# Altium PCB в2буекяиголоп.PcbDoc
Units mm, origin at the board's own origin, x right, y up, seen from the top; angles counter-clockwise.
Board outline 95 x 100 mm, 2 copper layers (Top Layer, Bottom Layer); 247 components, 171 nets, 830 pads, 0 vias.
Unrouted connection lines stored in the file: 635.
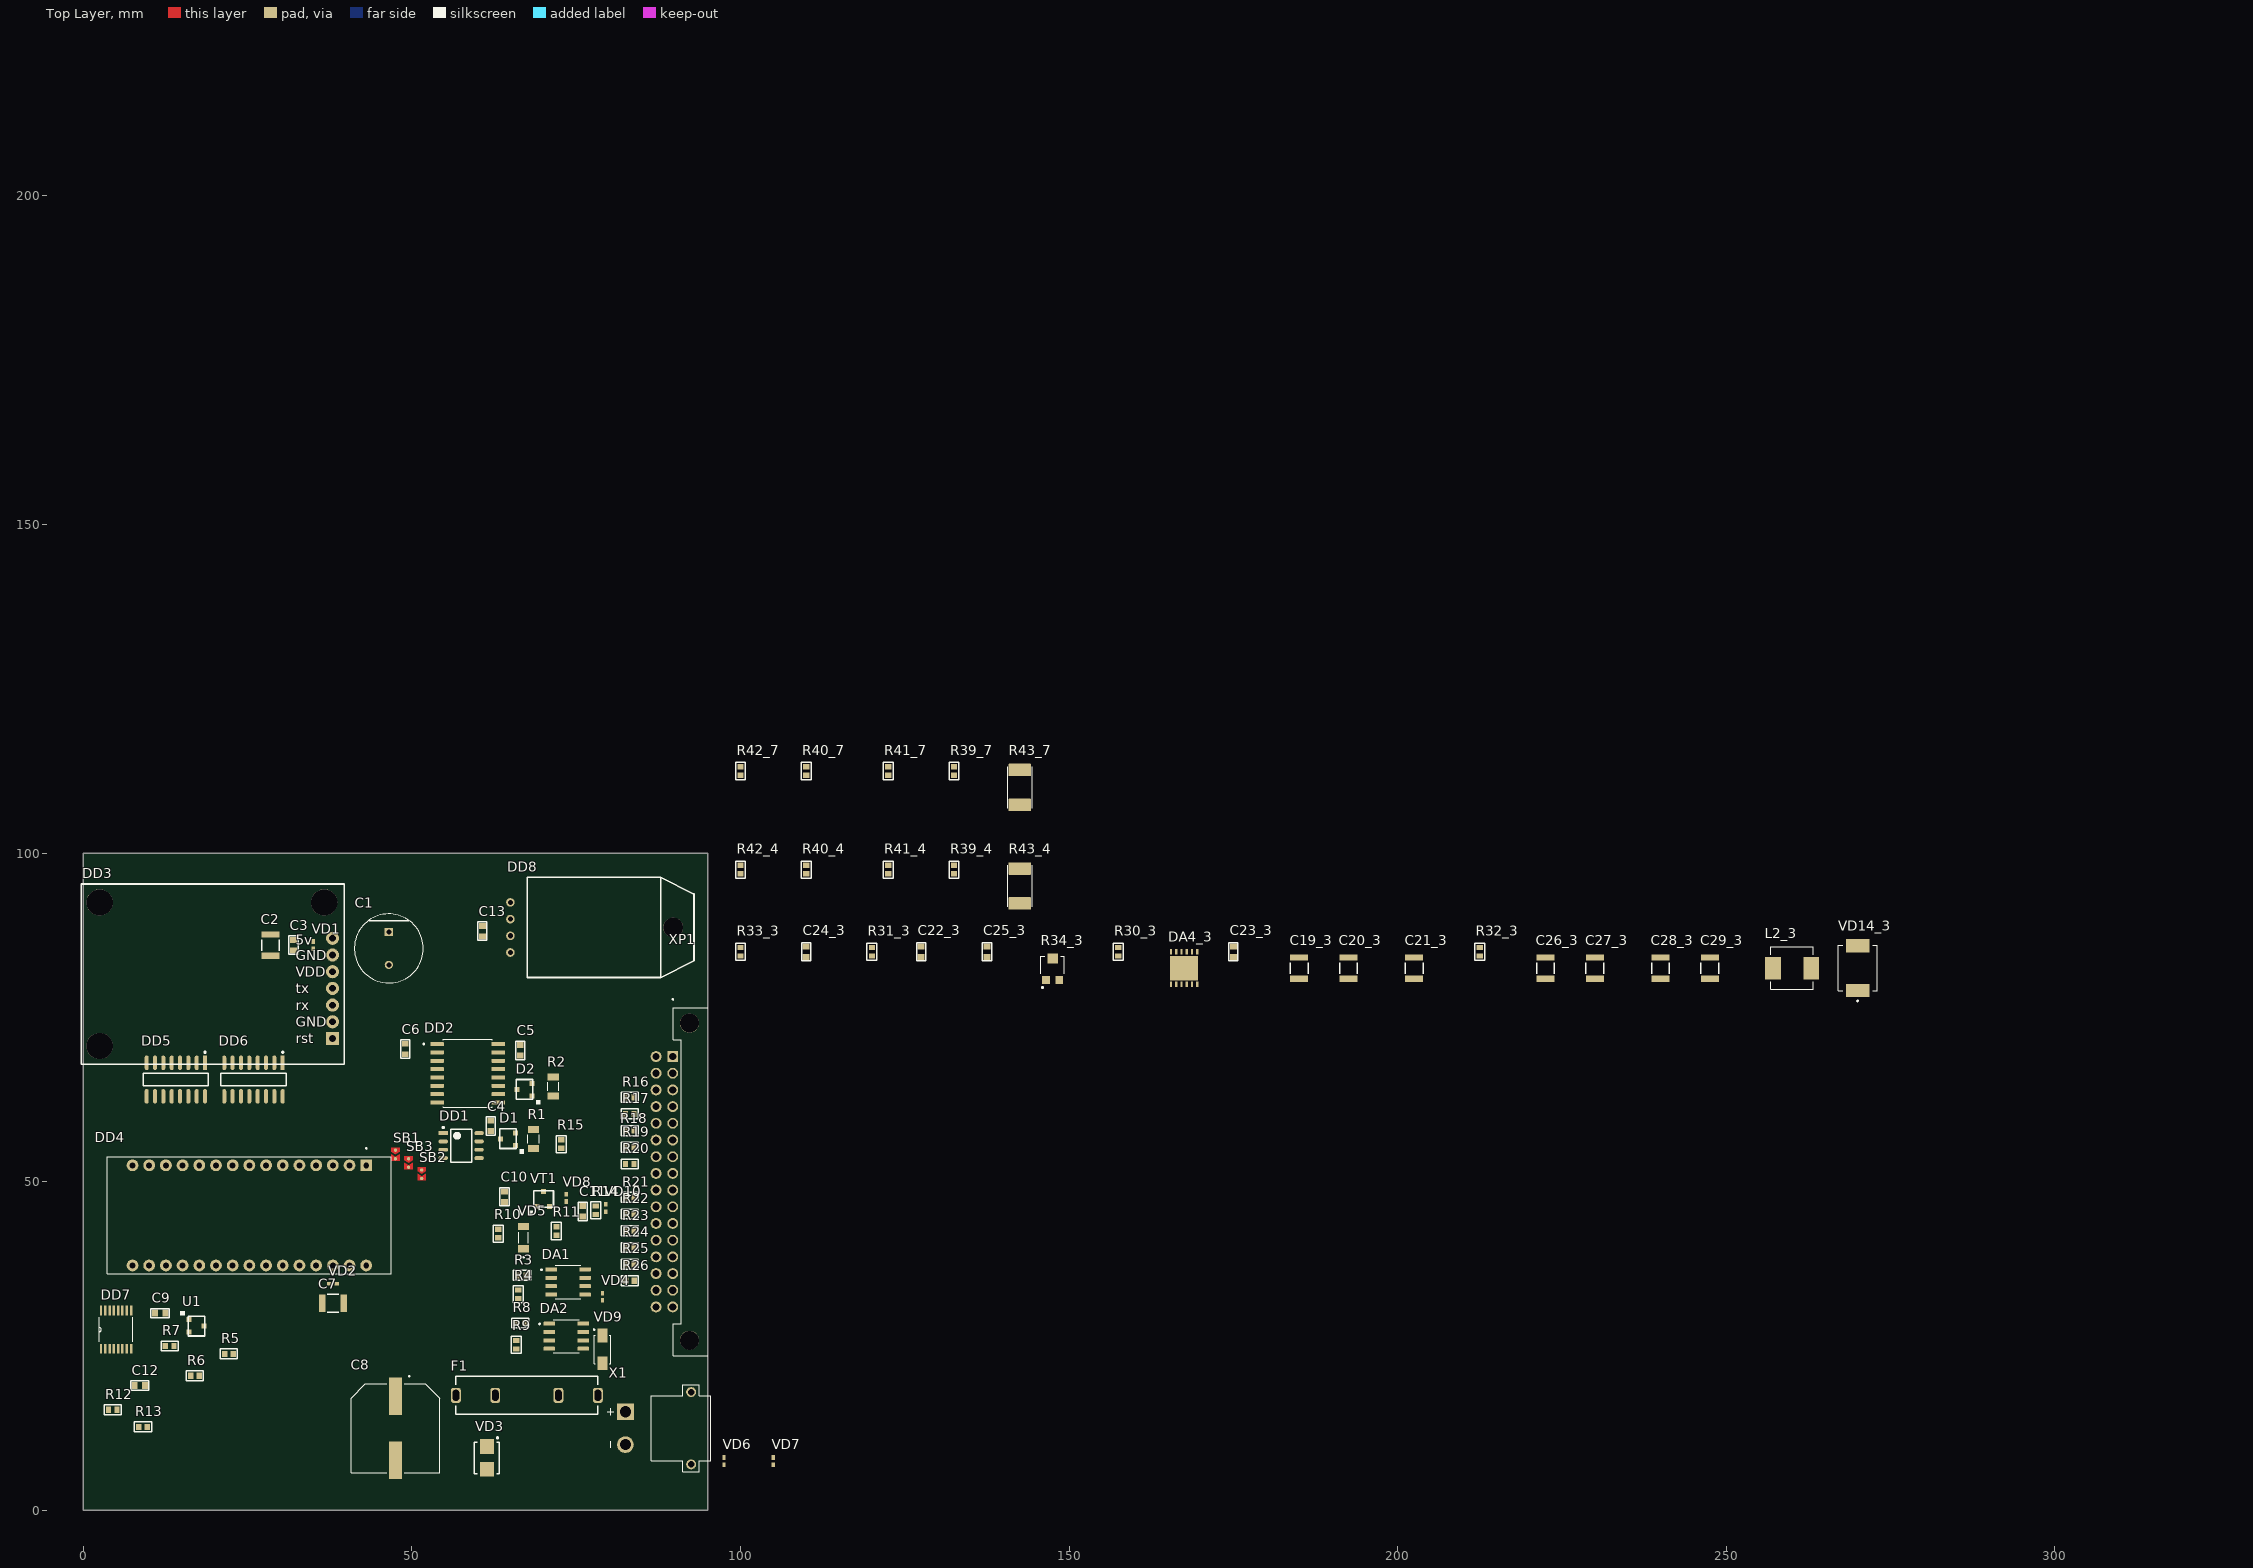
[diagram p0: Top Layer view]
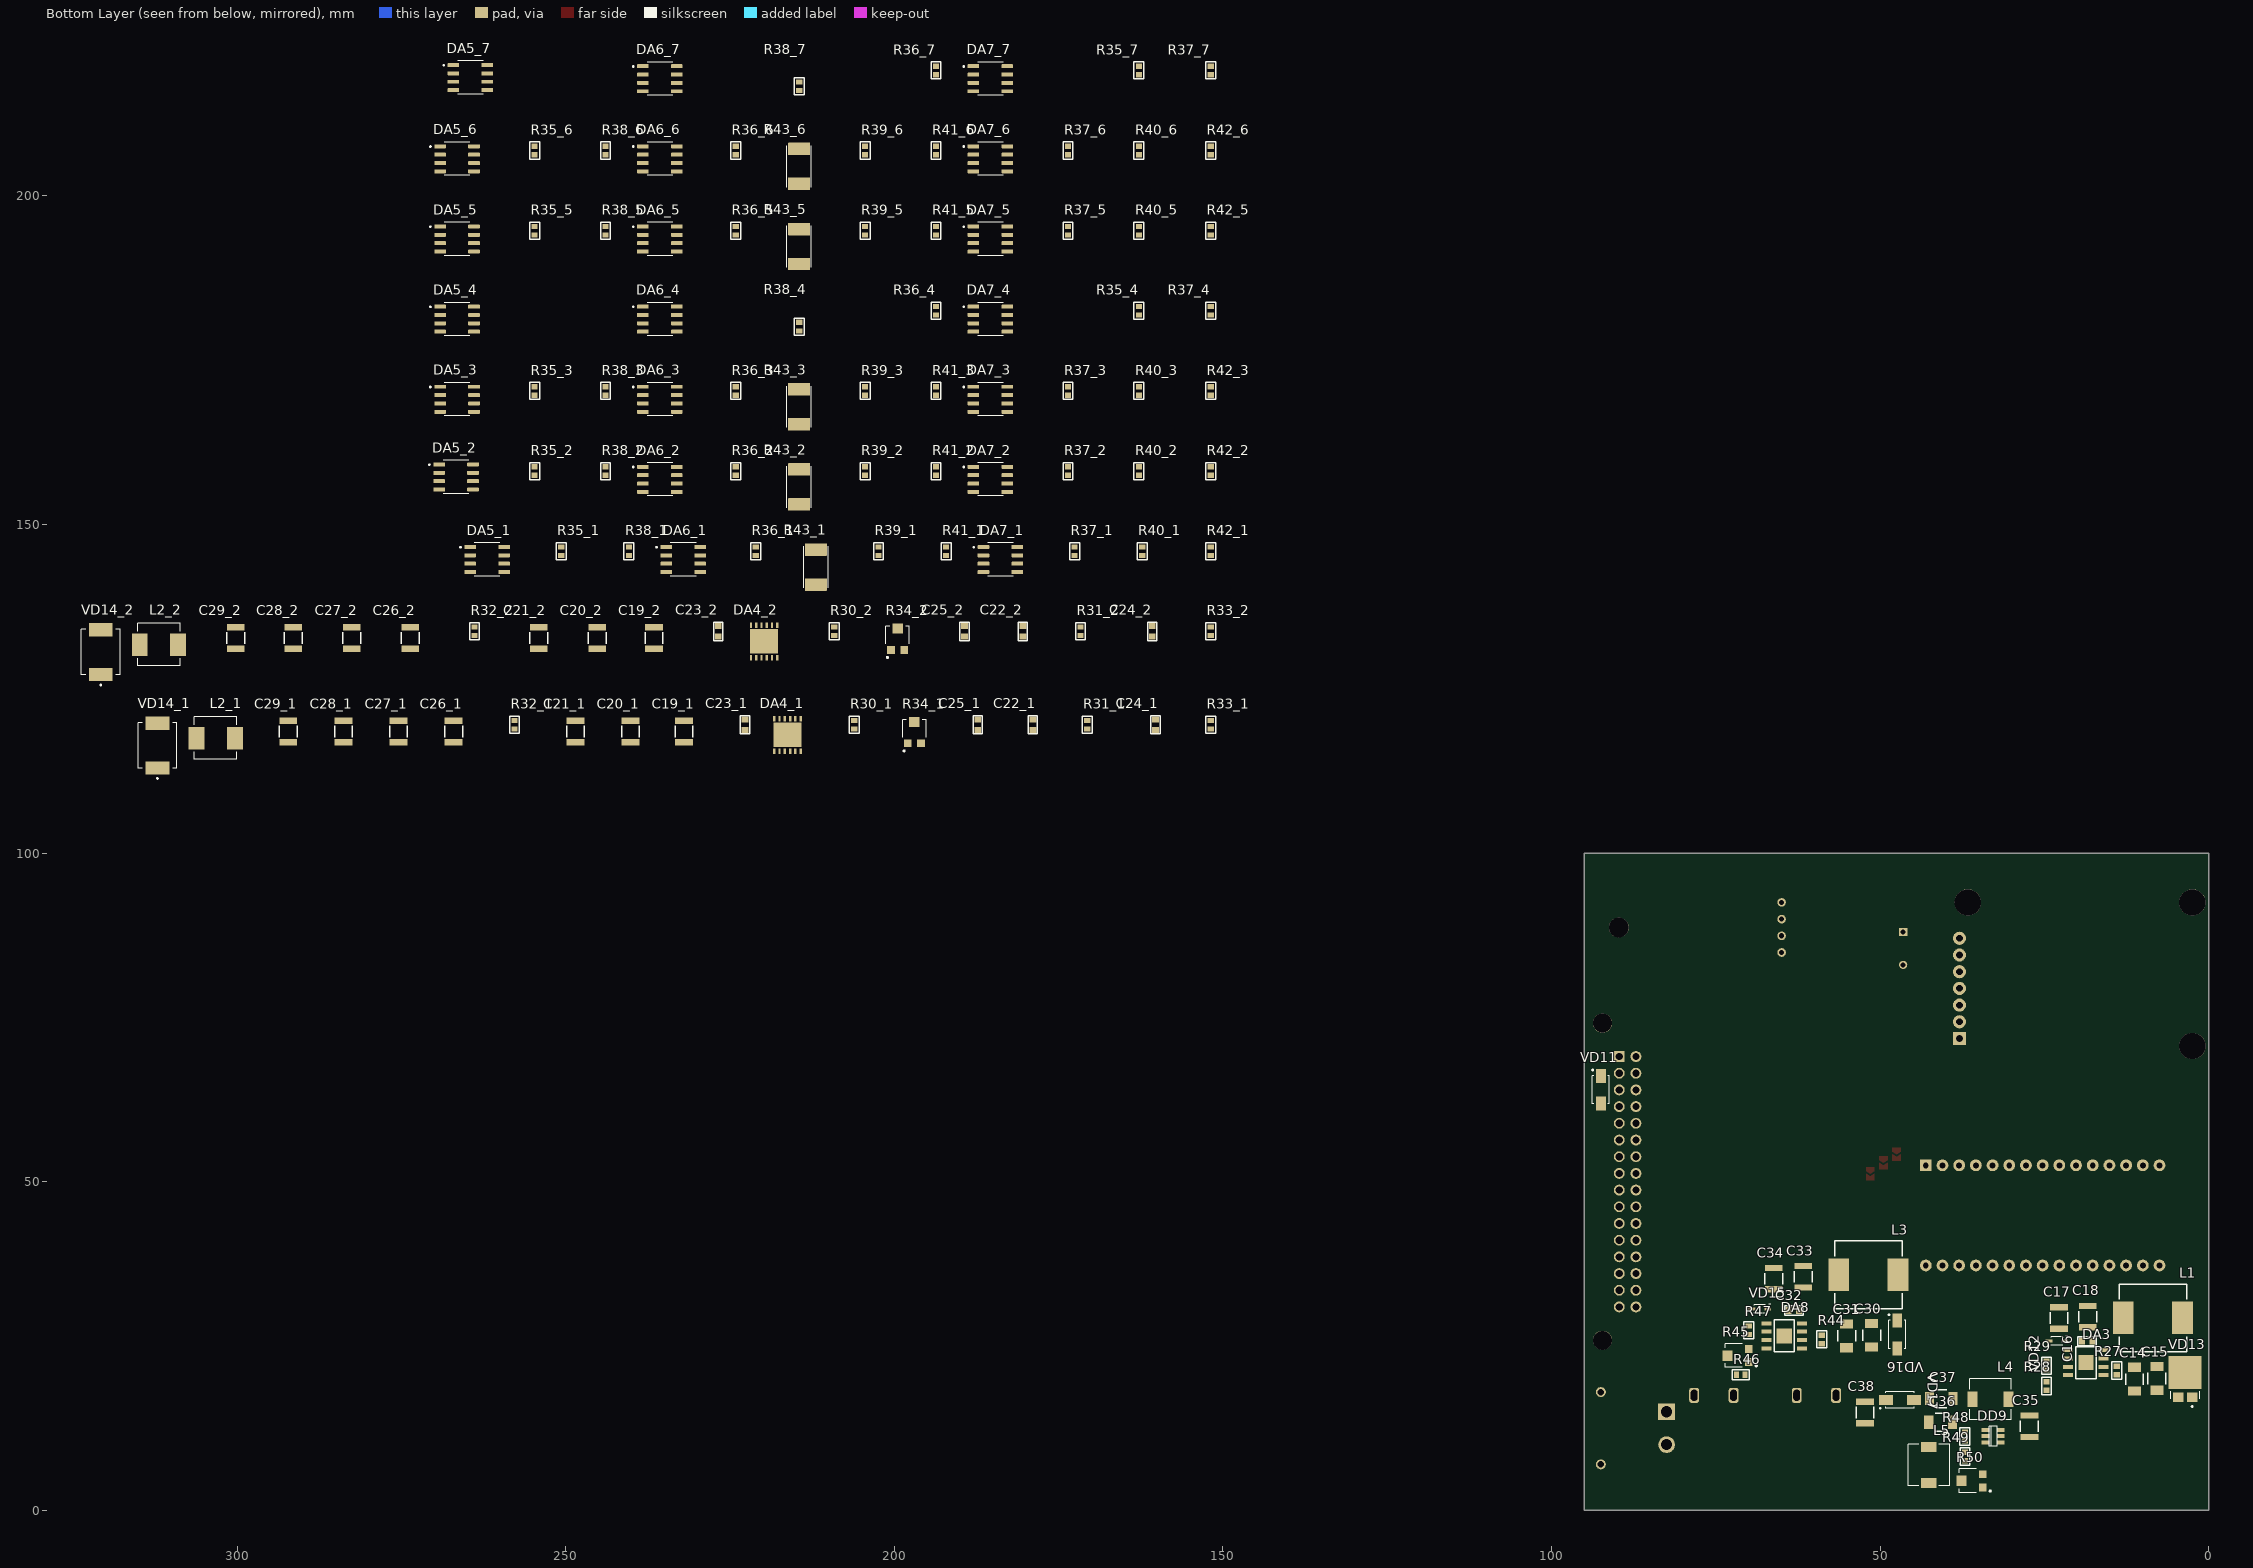
[diagram p1: Bottom Layer view, seen from below]

## Layer stack, top to bottom
Top Solder: solder mask 0.0102, Solder Resist, Dk 3.5
Top Layer: signal copper 0.0356
Dielectric 1: dielectric 0.32, FR-4, Dk 4.8
Bottom Layer: signal copper 0.0356
Bottom Solder: solder mask 0.0102, Solder Resist, Dk 3.5

## Board outline
0,0 0,100 95,100 95,0

## Design rules (kind name [scope] priority, off if disabled: settings)
Clearance [All] p1: gap=0.254 ignorepadtopadclearanceinfootprint=FALSE except(0: Arc-Hole Track-Hole SMDPad-Hole THPad-Hole Via-Hole Fill-Hole Poly-Hole Region-Hole Text-Hole)
DiffPairsRouting [All] p1: maxlimit=0.254 minlimit=0.254 mostfreqgap=0.254 toplayer_minwidth=0.381 toplayer_maxwidth=0.381 toplayer_prefwidth=0.381 bottomlayer_minwidth=0.381 bottomlayer_maxwidth=0.381 bottomlayer_prefwidth=0.381 maxuncoupledlength=12.7
PolygonConnect [All] p1: connectstyle=Relief reliefconductorwidth=0.254 reliefentries=4 polygonreliefangle="90 Angle" airgapwidth=0.254
RoomDefinition jarit'_paneli3 [InComponentClass('jarit'_paneli3')] p1: confinementstyle=ConfineIn formatcopy=TRUE lockcomponents=FALSE outline -30,-25 20.8,-25 20.8,0.4 -30,0.4
RoomDefinition "Uswitch 7" [InComponentClass('Uswitch 7')] p2: confinementstyle=ConfineIn formatcopy=TRUE lockcomponents=FALSE outline 142,213 272.3,213 272.3,228.4 142,228.4
RoomDefinition switch6 [InComponentClass('switch6')] p3: confinementstyle=ConfineIn formatcopy=TRUE lockcomponents=FALSE outline 143.2,200.1 273.5,200.1 273.5,215.5 143.2,215.5
RoomDefinition switch5 [InComponentClass('switch5')] p4: confinementstyle=ConfineIn formatcopy=TRUE lockcomponents=FALSE outline 143.7,187.5 274,187.5 274,199.9 143.7,199.9
RoomDefinition switch4 [InComponentClass('switch4')] p5: confinementstyle=ConfineIn formatcopy=TRUE lockcomponents=FALSE outline 143.7,175.5 274,175.5 274,187.4 143.7,187.4
RoomDefinition switch3 [InComponentClass('switch3')] p6: confinementstyle=ConfineIn formatcopy=TRUE lockcomponents=FALSE outline 143.7,164 274,164 274,175.4 143.7,175.4
RoomDefinition switch2 [InComponentClass('switch2')] p7: confinementstyle=ConfineIn formatcopy=TRUE lockcomponents=FALSE outline 143.7,151.5 274,151.5 274,166.9 143.7,166.9
RoomDefinition switch1 [InComponentClass('switch1')] p8: confinementstyle=ConfineIn formatcopy=TRUE lockcomponents=FALSE outline 143.7,140 274,140 274,151.5 143.7,151.5
RoomDefinition jarit'_paneli2 [InComponentClass('jarit'_paneli2')] p9: confinementstyle=ConfineIn formatcopy=TRUE lockcomponents=FALSE outline 143.7,126 327.5,126 327.5,140 143.7,140
RoomDefinition jarit'_paneli1 [InComponentClass('jarit'_paneli1')] p10: confinementstyle=ConfineIn formatcopy=TRUE lockcomponents=FALSE outline 143.7,110 320.5,110 320.5,125.5 143.7,125.5
RoutingVias [All] p1: holewidth=0.711 width=1.27 viastyle="Through Hole" minholewidth=0.711 minwidth=1.27 maxholewidth=0.711 maxwidth=1.27
SolderMaskExpansion [All] p1: expansion=0.102 istentingtop=FALSE
Width [All] p1: maxlimit=0.254 minlimit=0.254 preferedwidth=0.254
29 further rules are at their usual default settings.

## Classes and differential pairs
net class +24_[1..3]: +24_1 +24_2 +24_3
component class "Uswitch 7": DA5_7 DA6_7 DA7_7 R35_7 R36_7 R37_7 R38_7 R39_7 R40_7 R41_7 R42_7 R43_7
component class jarit'_paneli3: C19_3 C20_3 C21_3 C22_3 C23_3 C24_3 C25_3 C26_3 C27_3 C28_3 C29_3 DA4_3 L2_3 R30_3 R31_3 R32_3 R33_3 R34_3 VD14_3
component class Usepic12-12: C35 C36 C37 C38 DD9 L4 L5 R48 R49 R50 VD17
channel class switch: switch1 switch2 switch3 switch4 switch5 switch6 switch7
channel class jarit'_paneli: jarit'_paneli1 jarit'_paneli2
net class voltage_[1..6]: voltage_1 voltage_2 voltage_3 voltage_4 voltage_5 voltage_6
net class panel_[1..6]: panel_1 panel_2 panel_3 panel_4 panel_5 panel_6
net class en_jarka_[1..6]: en_jarka_1 en_jarka_2 en_jarka_3 en_jarka_4 en_jarka_5 en_jarka_6
component class хехема: C1 C2 C3 C4 C5 C6 C7 C8 C9 C10 C11 C12 C13 D1 D2 DA1 DA2 DD1 DD2 DD3 DD4 DD5 DD6 DD7 DD8 F1 R1 R2 R3 R4 R5 R6 R7 R8 R9 R10 R11 R12 R13 R14 R15 R16 R17 R18 R19 R20 R21 R22 R23 R24 R25 R26 SB1 SB2 SB3 U1 VD1 VD2 VD3 VD4 VD5 VD11 VD12 VD17 VT1 X1
component class Udcdc_na_akkum: C27 C28 C30 C31 C32 C33 C34 DA8 L3 R44 R45 R46 R47 VD16 VD17
component class Udcdc5v: C14 C15 C16 C17 C18 DA3 L1 R27 R28 R29 VD12 VD17
component class switch6: DA5_6 DA6_6 DA7_6 R35_6 R36_6 R37_6 R38_6 R39_6 R40_6 R41_6 R42_6 R43_6
component class switch5: DA5_5 DA6_5 DA7_5 R35_5 R36_5 R37_5 R38_5 R39_5 R40_5 R41_5 R42_5 R43_5
component class switch4: DA5_4 DA6_4 DA7_4 R35_4 R36_4 R37_4 R38_4 R39_4 R40_4 R41_4 R42_4 R43_4
component class switch3: DA5_3 DA6_3 DA7_3 R35_3 R36_3 R37_3 R38_3 R39_3 R40_3 R41_3 R42_3 R43_3
component class switch2: DA5_2 DA6_2 DA7_2 R35_2 R36_2 R37_2 R38_2 R39_2 R40_2 R41_2 R42_2 R43_2
component class switch1: DA5_1 DA6_1 DA7_1 R35_1 R36_1 R37_1 R38_1 R39_1 R40_1 R41_1 R42_1 R43_1
component class jarit'_paneli2: C19_2 C20_2 C21_2 C22_2 C23_2 C24_2 C25_2 C26_2 C27_2 C28_2 C29_2 DA4_2 L2_2 R30_2 R31_2 R32_2 R33_2 R34_2 VD14_2
component class jarit'_paneli1: C19_1 C20_1 C21_1 C22_1 C23_1 C24_1 C25_1 C26_1 C27_1 C28_1 C29_1 DA4_1 L2_1 R30_1 R31_1 R32_1 R33_1 R34_1 VD14_1
differential pair RS485_2: +RS485_2_P -RS485_2_N
differential pair RS485_2r: +RS485_2r_P -RS485_2r_N
differential pair RS485_1: +RS485_1_P -RS485_1_N
differential pair RS485_1r: +RS485_1r_P -RS485_1r_N

## Components (designator, comment, footprint, x,y, rotation, side; value= is the part's Value field where it differs from the comment)
C1 "Capacitor" 10x20_radial 46.5,85.5 r270 top value="2200 мк"
C2 "Capacitor" 1210C 28.5,86 r90 top value="22 мк"
C3 "Capacitor" 0603C 32,86 r90 top value="0,1 мк"
C4 "Capacitor" 0603C 62,58.5 r90 top value="0,1 мк"
C5 "Capacitor" 0603C 66.5,70 r90 top value="0,1 мк"
C6 "Capacitor" 0603C 49,70.2 r90 top value="0,1 мк"
C7 "Capacitor" 1210C 38,31.5 r0 top value="22 мк"
C8 "Capacitor" SMD_cap_12,5x13,5 47.5,12.5 r270 top value="1000 мк"
C9 "Capacitor" 0603C 11.7,30 r0 top value="0,1 мк"
C10 "Capacitor" 0603C 64.092,47.723 r90 top value="0,1 мк"
C11 "Capacitor" 0603C 76,45.5 r90 top value="0,1 мк"
C12 "Capacitor" 0603C 8.6,19 r180 top value="1 мк"
C13 "Capacitor" 0603C 60.724,88.129 r90 top value="0,1 мк"
C14 "Capacitor" 1206C 11.3,19.975 r90 bottom value="4,7 мк"
C15 "Capacitor" 1206C 7.9,20.075 r90 bottom value="4,7 мк"
C16 "Capacitor" 0603C 18.515,25.751 r0 bottom value="10 н"
C17 "Capacitor" 1210C 22.8,29.275 r90 bottom value="22 мк"
C18 "Capacitor" 1210C 18.4,29.475 r90 bottom value="22 мк"
C19_1 "Capacitor" 1210C 232.001,118.51 r90 bottom value="10 мк" (schematic designator C19)
C19_2 "Capacitor" 1210C 236.573,132.734 r90 bottom value="10 мк" (schematic designator C19)
C19_3 "Capacitor" 1210C 185,82.5 r90 top value="10 мк" (schematic designator C19)
C20_1 "Capacitor" 1210C 240.129,118.51 r90 bottom value="10 мк" (schematic designator C20)
C20_2 "Capacitor" 1210C 245.209,132.734 r90 bottom value="10 мк" (schematic designator C20)
C20_3 "Capacitor" 1210C 192.5,82.5 r90 top value="10 мк" (schematic designator C20)
C21_1 "Capacitor" 1210C 248.511,118.51 r90 bottom value="10 мк" (schematic designator C21)
C21_2 "Capacitor" 1210C 254.099,132.734 r90 bottom value="10 мк" (schematic designator C21)
C21_3 "Capacitor" 1210C 202.5,82.5 r90 top value="10 мк" (schematic designator C21)
C22_1 "Capacitor" 0603C 178.915,119.526 r90 bottom value="1 мк" (schematic designator C22)
C22_2 "Capacitor" 0603C 180.439,133.75 r90 bottom value="1 мк" (schematic designator C22)
C22_3 "Capacitor" 0603C 127.5,85 r90 top value="1 мк" (schematic designator C22)
C23_1 "Capacitor" 0603C 222.73,119.526 r90 bottom value="1 мк" (schematic designator C23)
C23_2 "Capacitor" 0603C 226.794,133.75 r90 bottom value="1 мк" (schematic designator C23)
C23_3 "Capacitor" 0603C 175,85 r90 top value="1 мк" (schematic designator C23)
C24_1 "Capacitor" 0603C 160.246,119.526 r90 bottom value="1 н" (schematic designator C24)
C24_2 "Capacitor" 0603C 160.754,133.75 r90 bottom value="1 н" (schematic designator C24)
C24_3 "Capacitor" 0603C 110,85 r90 top value="1 н" (schematic designator C24)
C25_1 "Capacitor" 0603C 187.297,119.526 r90 bottom value="33 н" (schematic designator C25)
C25_2 "Capacitor" 0603C 189.329,133.75 r90 bottom value="33 н" (schematic designator C25)
C25_3 "Capacitor" 0603C 137.5,85 r90 top value="33 н" (schematic designator C25)
C26_1 "Capacitor" 1210C 267.053,118.51 r90 bottom value="10 мк" (schematic designator C26)
C26_2 "Capacitor" 1210C 273.657,132.734 r90 bottom value="10 мк" (schematic designator C26)
C26_3 "Capacitor" 1210C 222.5,82.5 r90 top value="10 мк" (schematic designator C26)
C27_1 "Capacitor" 1210C 275.435,118.51 r90 bottom value="10 мк" (schematic designator C27)
C27_2 "Capacitor" 1210C 282.547,132.734 r90 bottom value="10 мк" (schematic designator C27)
C27_3 "Capacitor" 1210C 230,82.5 r90 top value="10 мк" (schematic designator C27)
C28_1 "Capacitor" 1210C 283.817,118.51 r90 bottom value="10 мк" (schematic designator C28)
C28_2 "Capacitor" 1210C 291.437,132.734 r90 bottom value="10 мк" (schematic designator C28)
C28_3 "Capacitor" 1210C 240,82.5 r90 top value="10 мк" (schematic designator C28)
C29_1 "Capacitor" 1210C 292.199,118.51 r90 bottom value="10 мк" (schematic designator C29)
C29_2 "Capacitor" 1210C 300.2,132.734 r90 bottom value="10 мк" (schematic designator C29)
C29_3 "Capacitor" 1210C 247.5,82.5 r90 top value="10 мк" (schematic designator C29)
C30 "Capacitor" 1206C 51.3,26.65 r90 bottom value="4,7 мк"
C31 "Capacitor" 1206C 55.1,26.55 r90 bottom value="4,7 мк"
C32 "Capacitor" 0603C 63.128,30.406 r0 bottom value="10 н"
C33 "Capacitor" 1210C 61.7,35.55 r90 bottom value="22 мк"
C34 "Capacitor" 1210C 66.2,35.25 r90 bottom value="22 мк"
C35 "Capacitor" 1210C 27.3,12.8 r90 bottom value="22 мк"
C36 "Capacitor" 1206C 40.8,13.4 r0 bottom value="4,7 мк"
C37 "Capacitor" 1206C 40.7,17 r0 bottom value="4,7 мк"
C38 "Capacitor" 1210C 52.3,14.9 r90 bottom value="22 мк"
D1 "PSM712" SOT23-3 65.786,55.547 r180 top
D2 "PSM712" SOT23-3 68.286,63.047 r180 top
DA1 "VN7140AS" SOP8 73.774,34.747 r0 top
DA2 "VN7140AS" SOP8 73.5,26.5 r0 top
DA3 "RT8279GSP" 8SOP(Exposed_Pad) 18.7,22.475 r180 bottom
DA4_1 "RT8509A" WDFN5x5-12 216.253,118.002 r180 bottom (schematic designator DA4)
DA4_2 "RT8509A" WDFN5x5-12 219.809,132.226 r180 bottom (schematic designator DA4)
DA4_3 "RT8509A" WDFN5x5-12 167.5,82.5 r0 top (schematic designator DA4)
DA5_1 "VN7140AS" SOP8 261.957,144.672 r180 bottom (schematic designator DA5)
DA5_2 "VN7140AS" SOP8 266.68,157.235 r180 bottom (schematic designator DA5)
DA5_3 "VN7140AS" SOP8 266.529,169.056 r180 bottom (schematic designator DA5)
DA5_4 "VN7140AS" SOP8 266.529,181.248 r180 bottom (schematic designator DA5)
DA5_5 "VN7140AS" SOP8 266.529,193.44 r180 bottom (schematic designator DA5)
DA5_6 "VN7140AS" SOP8 266.529,205.632 r180 bottom (schematic designator DA5)
DA5_7 "VN7140AS" SOP8 264.5,218 r180 bottom (schematic designator DA5)
DA6_1 "VN7140AS" SOP8 232.112,144.672 r180 bottom (schematic designator DA6)
DA6_2 "VN7140AS" SOP8 235.668,156.864 r180 bottom (schematic designator DA6)
DA6_3 "VN7140AS" SOP8 235.668,169.056 r180 bottom (schematic designator DA6)
DA6_4 "VN7140AS" SOP8 235.668,181.248 r180 bottom (schematic designator DA6)
DA6_5 "VN7140AS" SOP8 235.668,193.44 r180 bottom (schematic designator DA6)
DA6_6 "VN7140AS" SOP8 235.668,205.632 r180 bottom (schematic designator DA6)
DA6_7 "VN7140AS" SOP8 235.668,217.824 r180 bottom (schematic designator DA6)
DA7_1 "VN7140AS" SOP8 183.852,144.672 r180 bottom (schematic designator DA7)
DA7_2 "VN7140AS" SOP8 185.376,156.864 r180 bottom (schematic designator DA7)
DA7_3 "VN7140AS" SOP8 185.376,169.056 r180 bottom (schematic designator DA7)
DA7_4 "VN7140AS" SOP8 185.376,181.248 r180 bottom (schematic designator DA7)
DA7_5 "VN7140AS" SOP8 185.376,193.44 r180 bottom (schematic designator DA7)
DA7_6 "VN7140AS" SOP8 185.376,205.632 r180 bottom (schematic designator DA7)
DA7_7 "VN7140AS" SOP8 185.376,217.824 r180 bottom (schematic designator DA7)
DA8 "RT8279GSP" 8SOP(Exposed_Pad) 64.6,26.55 r180 bottom
DD1 "MAX485CSA" SOIC-8 57.5,55.5 r0 top
DD2 "ADM2483BRWZ" SOIC-16W 58.5,66.5 r0 top
DD3 "sim800l" sim800l 37.933,71.799 r0 top
DD4 "arduino_nano" arduino_nano 25.28,44.88 r270 top
DD5 "MC74HC595ADR2G" SOIC-16 14.095,65.551 r270 top
DD6 "MC74HC595ADR2G" SOIC-16 25.905,65.551 r270 top
DD7 "74HC4051PW,118" TSSOP-16 5,27.5 r90 top
DD8 "DHT22" DHT22 65,88.69 r270 top
DD9 "MT3608" SOT23-6 32.8,11.3 r270 bottom
F1 "Fuse 20x5 on clips FC-M" fuse_20x5_on_clips_FC-M 67.5,17.5 r0 top value={Номинал}
L1 "IHLP4040DZER330M11" IHLP-4040 8.5,29.275 r0 bottom value="33 мк"
L2_1 "IHLP2525CZER4R7M01" IHLP-2525 303.248,117.494 r180 bottom value="4,7 мк" (schematic designator L2)
L2_2 "IHLP2525CZER4R7M01" IHLP-2525 311.884,131.718 r180 bottom value="4,7 мк" (schematic designator L2)
L2_3 "IHLP2525CZER4R7M01" IHLP-2525 260,82.5 r0 top value="4,7 мк" (schematic designator L2)
L3 "IHLP4040DZER220M11" IHLP-4040 51.8,35.85 r0 bottom value="22 мк"
L4 "B82462G4223M" B82462G4 33.2,16.9 r0 bottom value="22 мк"
L5 "B82462G4223M" B82462G4 42.6,6.9 r90 bottom value="22 мк"
R1 "Resistor" 1206R 68.5,56.5 r90 top value=120
R2 "Resistor" 1206R 71.5,64.5 r90 top value=120
R3 "Resistor" 0603R 66.756,35.754 r0 top value="15 к"
R4 "Resistor" 0603R 66.206,32.896 r270 top value="1,0 к"
R5 "Resistor" 0603R 22.174,23.804 r0 top value="1,0 к"
R6 "Resistor" 0603R 17,20.5 r0 top value="1,0 к"
R7 "Resistor" 0603R 13.15,25 r0 top value="1,0 к"
R8 "Resistor" 0603R 66.5,28.5 r0 top value="15 к"
R9 "Resistor" 0603R 65.895,25.2 r270 top value="1,0 к"
R10 "Resistor" 0603R 63.156,42.111 r90 top value="5,1 к"
R11 "Resistor" 0603R 72,42.5 r270 top value="1,8 к"
R12 "Resistor" 0603R 4.5,15.3 r180 top value="18 к"
R13 "Resistor" 0603R 9.1,12.7 r180 top value="10 к"
R14 "Resistor" 0603R 78,45.65 r90 top value="100 к"
R15 "Resistor" 0603R 72.725,55.733 r90 top value="10 к"
R16 "Resistor" 0603R 83.17,62.865 r0 top value=10
R17 "Resistor" 0603R 83.17,60.325 r0 top value=10
R18 "Resistor" 0603R 83.17,57.785 r0 top value=10
R19 "Resistor" 0603R 83.17,55.245 r0 top value=10
R20 "Resistor" 0603R 83.17,52.705 r0 top value=10
R21 "Resistor" 0603R 83.17,47.625 r0 top value=10
R22 "Resistor" 0603R 83.17,45.085 r0 top value=10
R23 "Resistor" 0603R 83.17,42.545 r0 top value=10
R24 "Resistor" 0603R 83.17,40.005 r0 top value=10
R25 "Resistor" 0603R 83.185,37.465 r180 top value=10
R26 "Resistor" 0603R 83.185,34.925 r0 top value=10
R27 "Resistor" 0603R 14,21.275 r90 bottom value="1,0 к"
R28 "Resistor" 0603R 24.7,18.925 r90 bottom value="31,6 к"
R29 "Resistor" 0603R 24.7,22.025 r90 bottom value="100 к"
R30_1 "Resistor" 0603R 206.093,119.526 r90 bottom value=10 (schematic designator R30)
R30_2 "Resistor" 0603R 209.141,133.75 r90 bottom value=10 (schematic designator R30)
R30_3 "Resistor" 0603R 157.5,85 r90 top value=10 (schematic designator R30)
R31_1 "Resistor" 0603R 170.66,119.526 r90 bottom value=56 (schematic designator R31)
R31_2 "Resistor" 0603R 171.676,133.75 r90 bottom value=56 (schematic designator R31)
R31_3 "Resistor" 0603R 120,85 r90 top value=56 (schematic designator R31)
R32_1 "Resistor" 0603R 257.782,119.526 r90 bottom value="130 к" (schematic designator R32)
R32_2 "Resistor" 0603R 263.878,133.75 r90 bottom value="130 к" (schematic designator R32)
R32_3 "Resistor" 0603R 212.5,85 r90 top value="130 к" (schematic designator R32)
R33_1 "Resistor" 0603R 151.864,119.526 r90 bottom value="10 к" (schematic designator R33)
R33_2 "Resistor" 0603R 151.864,133.75 r90 bottom value="10 к" (schematic designator R33)
R33_3 "Resistor" 0603R 100,85 r90 top value="10 к" (schematic designator R33)
R34_1 "TC33X-2-503E" 3mm_trim 196.949,118.51 r90 bottom value="50 к" (schematic designator R34)
R34_2 "TC33X-2-503E" 3mm_trim 199.489,132.734 r90 bottom value="50 к" (schematic designator R34)
R34_3 "TC33X-2-503E" 3mm_trim 147.5,82.5 r90 top value="50 к" (schematic designator R34)
R35_1 "Resistor" 0603R 250.67,145.942 r90 bottom value="15 к" (schematic designator R35)